# Altium PCB TCM.PcbDoc (part 2 of 10) (continued)
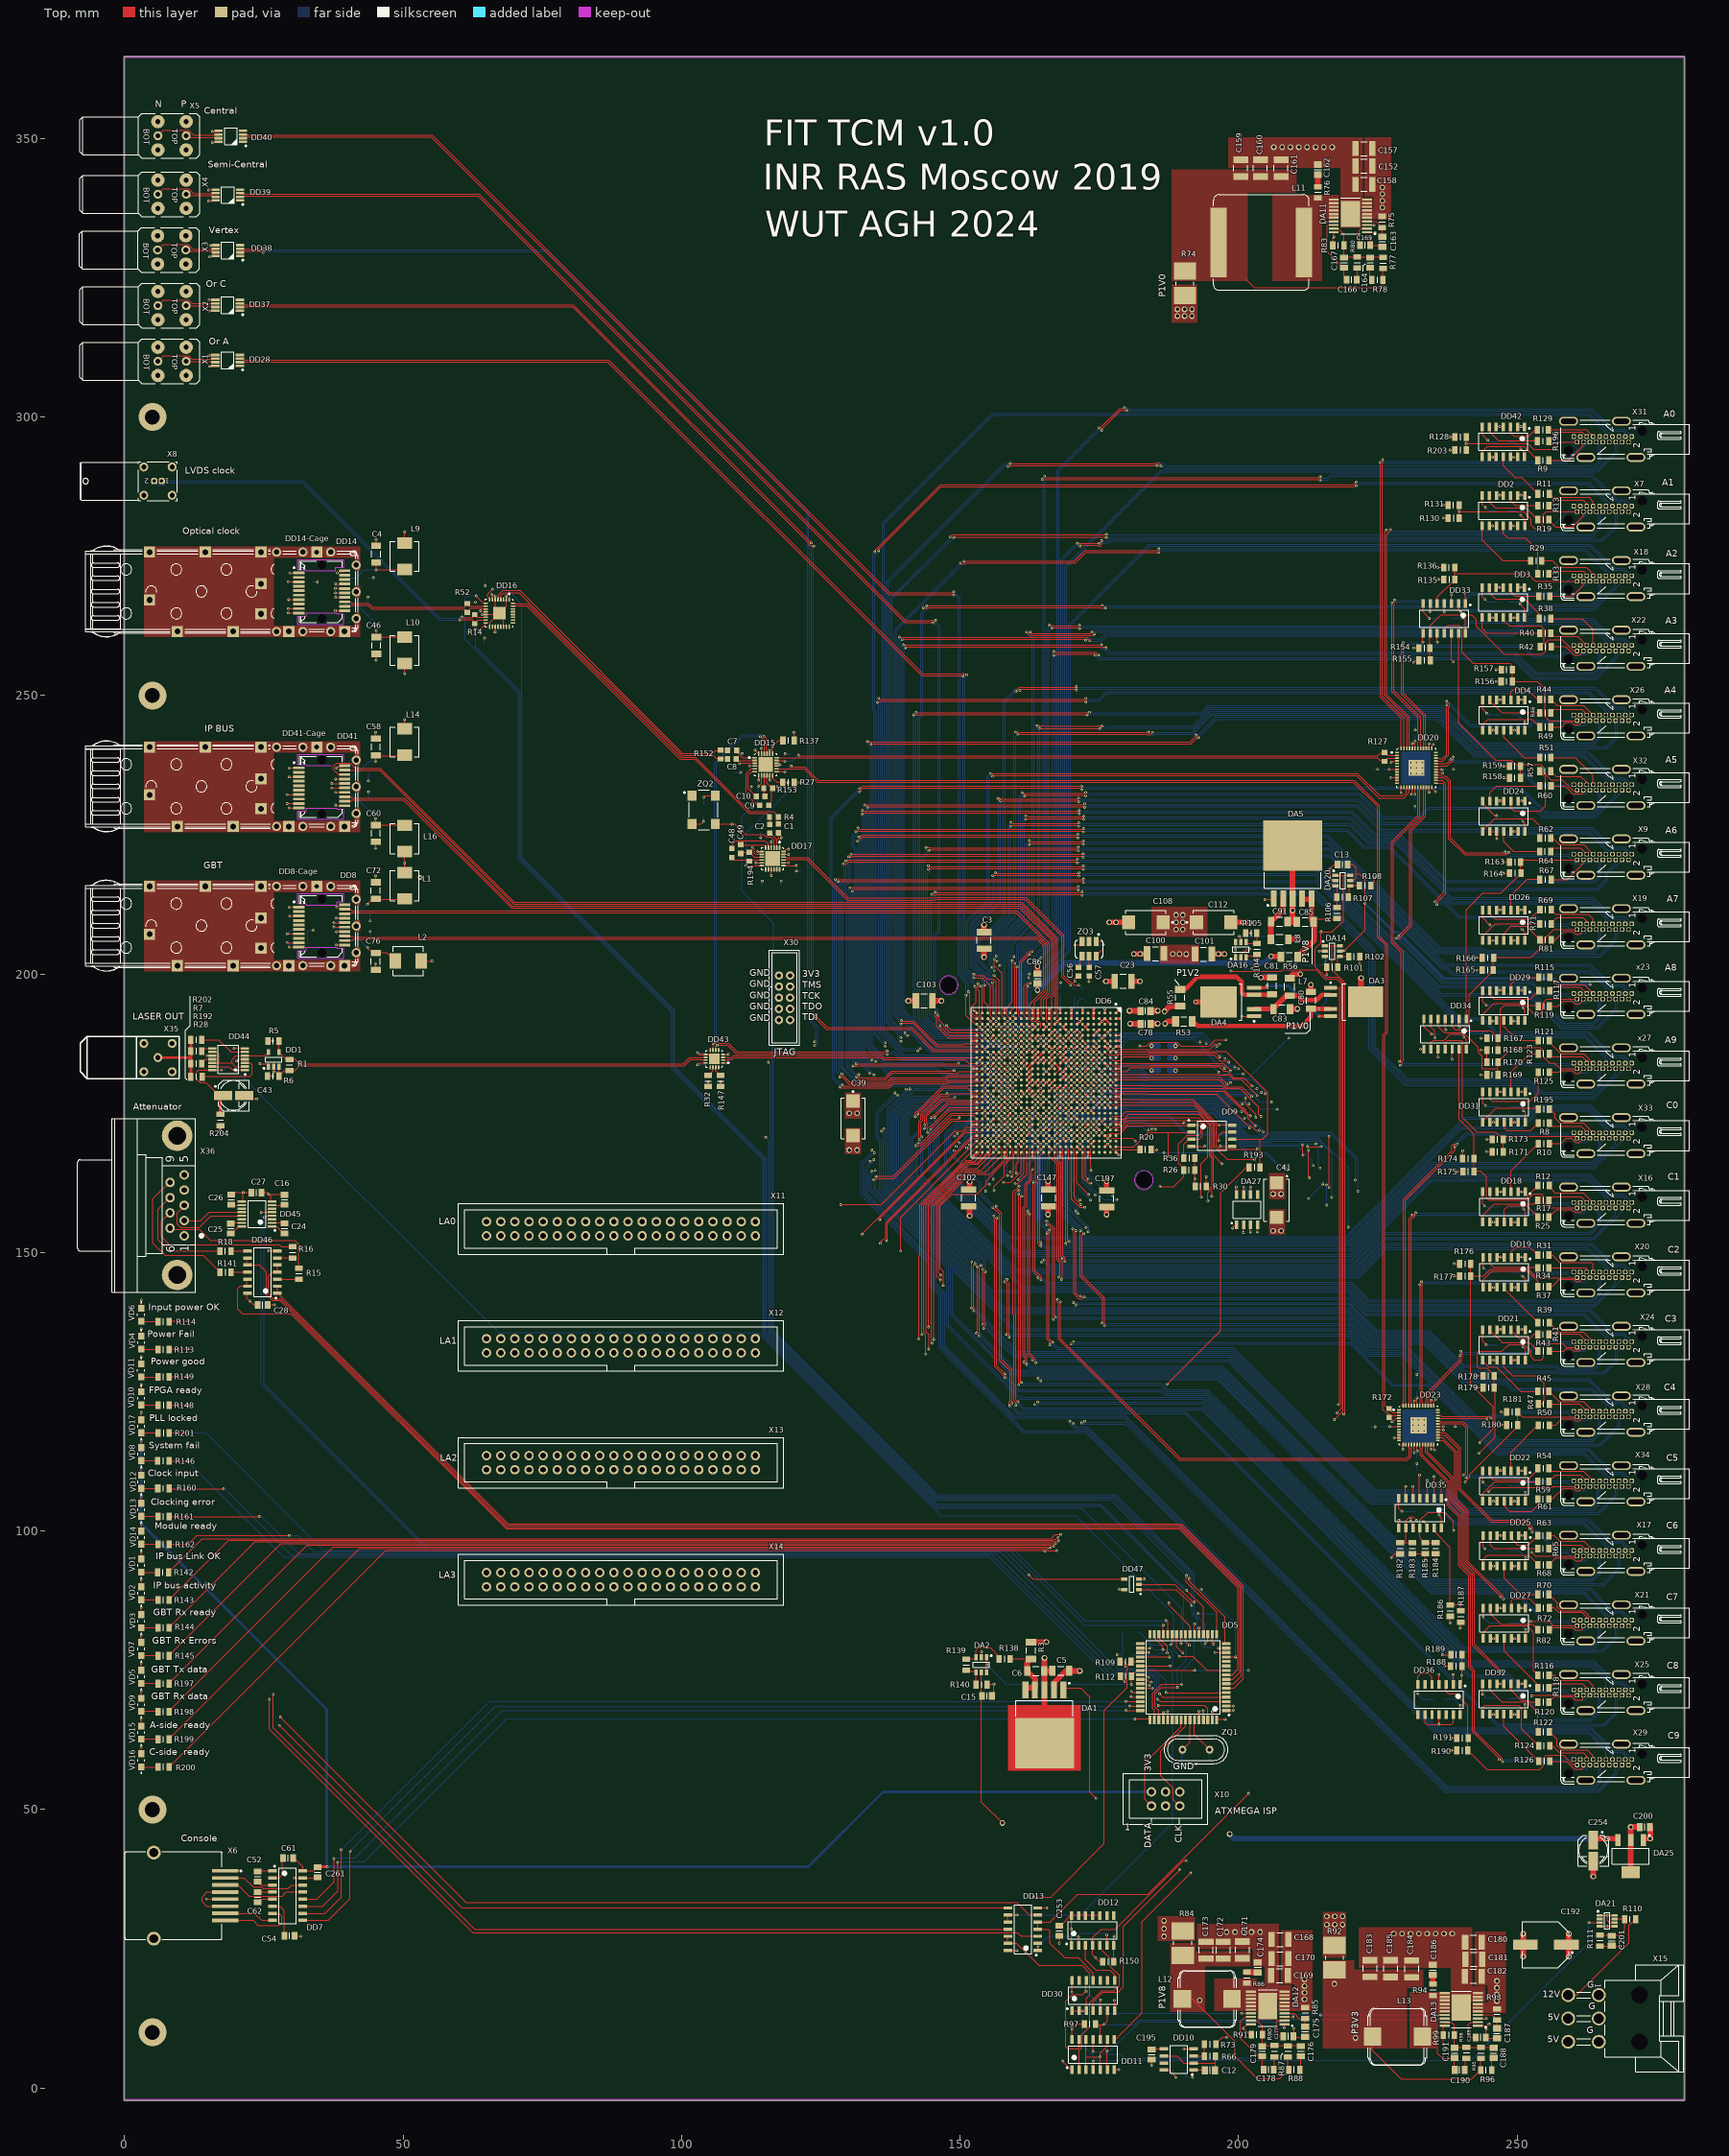
[diagram p0: Top view]
## Part data (continued)
DA25: "3-Terminal Regulator 1=IN 2=GND 3=OUT 4=GND", Case=SOT223, Manufacturer="TEXAS INSTRUMENTS", Manufacturer Part Number=LM3940IMP-3.3, Author="CERN DEM JLC", Bonding=No, Component Type=Standard, ComponentHeight=1.8mm, CreateDate=28.03.2011, Device=LM3940IMP-3.3/NOPB, HelpURL=\\cern.ch\dfs\Applications\Altium\Datasheets\LM3940IMP-3.3-NOPB.pdf, LatestRevisionDate=01.06.2022, Mounted=Yes, PackageDescription="SOT223, 2.30mm Pitch; 4 Pin, 3.70mm W X 6.70mm L X 1.80mm H body, IPC Medium Density", Part Description="1A Low Dropout Regulator for 5V to 3.3V Conversion", Part Number=LM3940IMP-3.3/NOPB, Pin Count=4, PressFit=No, Sense=No, SMD=Yes, Socket=No
DA27: "±0.5°C Accurate, 16-Bit Digital SPI Temperature Sensor", Case=SOIC8, Manufacturer="ANALOG DEVICES", Author="CERN DEM HF", Bonding=No, Component Type=Standard, ComponentHeight=1.75mm, CreateDate=24.05.2024, Device=ADT7311WTR, HelpURL=\\cern.ch\dfs\Applications\Altium\Datasheets\ADT7311WTR.pdf, LatestRevisionDate=24.05.2024, Manufacturer Part Number=ADT7311WTR, Mounted=Yes, PackageDescription="SOIC 8, Pitch 1.27mm - Body 4x5mm, IPC Medium Density", Part Description="±0.5°C Accurate, 16-Bit Digital SPI Temperature Sensor", Part Number=ADT7311WTR, Pin Count=8, PressFit=No, Sense=No, SMD=Yes, Socket=No
DD1: "3V LVDS Single CMOS Differential Line Receiver", Case=SOT23-5, Manufacturer="TEXAS INSTRUMENTS", Author="CERN DEM HF", Bonding=No, Component Type=Standard, ComponentHeight=1.45mm, CreateDate=08.05.2024, Device=DS90LT012ATMF, HelpURL=\\cern.ch\dfs\Applications\Altium\Datasheets\DS90LT012ATMF.pdf, LatestRevisionDate=08.05.2024, Manufacturer Part Number=DS90LT012ATMF, Mounted=Yes, PackageDescription="SOT, 0.95mm Pitch; 5 Pin, 1.60mm W X 2.90mm L X 1.45mm H body, IPC Medium Density", Part Description="3V LVDS Single CMOS Differential Line Receiver", Part Number=DS90LT012ATMF, Pin Count=5, PressFit=No, Sense=No, SMD=Yes, Socket=No
DD2 DD3 DD4 DD11 DD13 DD18 DD19 DD21 DD22 DD24 DD25 DD26 DD27 DD29 DD31 DD32 DD42 DD46: "Quad 2-Input AND Gate", Case=SOIC14, Manufacturer="TEXAS INSTRUMENTS", Bonding=No, Component Type=Standard, ComponentHeight=1.75mm, Mounted=Yes, Part Description="Quadruple 2-Input Positive-AND Gate", Pin Count=14, PressFit=No, Sense=No, SMD=Yes, Socket=No
  DD2 DD3 DD4 DD18 DD19 DD21 DD22 DD24 DD25 DD26 DD27 DD29 DD31 DD32 DD42: Author="CERN DEM JLC", CreateDate=21.03.2012, Device=SN74LVC08AD, HelpURL=\\cern.ch\dfs\Applications\Altium\Datasheets\SN74LVC08AD.pdf, LatestRevisionDate=21.03.2012, Manufacturer Part Number=SN74LVC08AD, PackageDescription="SOIC 14, Pitch 1.27mm - Body 4x8.75mm, IPC Medium Density", Part Number=SN74LVC08AD
  DD11 DD13 DD46: Author="CERN DEM HF", CreateDate=10.06.2024, Device=SN74HCT08D, HelpURL=\\cern.ch\dfs\Applications\Altium\Datasheets\SN74HCT08.pdf, LatestRevisionDate=10.06.2024, Manufacturer Part Number=SN74HCT08D, PackageDescription="SOIC, 1.27mm Pitch; 14 Pin, 4.00mm W X 8.75mm L X 1.75mm H body, IPC Medium Density", Part Number=SN74HCT08D
DD5: "8/16-bit XMEGA A3BU 32MHz Microcontroller With 256KBytes of in-System Self-Programmable Flash", Case=QFP64, Manufacturer="MICROCHIP TECHNOLOGY", Author="CERN DEM HF", Bonding=No, Component Type=Standard, ComponentHeight=1.2mm, CreateDate=24.05.2024, Device=ATXMEGA128A3U-AU, HelpURL=\\cern.ch\dfs\Applications\Altium\Datasheets\ATXMEGA128A3U-AU.pdf, LatestRevisionDate=24.05.2024, Manufacturer Part Number=ATXMEGA128A3U-AU, Mounted=Yes, PackageDescription="QFP, 0.80mm Pitch, Square; 64 Pin, 14.00mm L X 14.00mm W X 1.20mm H body, IPC Medium Density", Part Description="8/16-bit XMEGA A3U 32MHz Microcontroller with 128KBytes of in-System Self-Programmable Flash", Part Number=ATXMEGA128A3U-AU, Pin Count=64, PressFit=No, Sense=No, SMD=Yes, Socket=No
DD6: "KINTEX-7, FPGA, 676-Ball BGA, Pb-Free", Case=BGA676, Manufacturer=XILINX, Author="CERN DEM BC", Bonding=No, Component Type=Standard, ComponentHeight=2.54mm, ComponentLink1Description=Package/Pinout, ComponentLink1URL=\\cern.ch\dfs\Applications\Altium\Datasheets\XC7K160T-xFBG676C_Package-Pinout.pdf, CreateDate=06.02.2020, Device=XC7K160T-2FBG676C, HelpURL=\\cern.ch\dfs\Applications\Altium\Datasheets\XC7K160T-xFBG676C.pdf, LatestRevisionDate=06.02.2020, Manufacturer Part Number=XC7K160T-2FBG676C, Mounted=Yes, PackageDescription="BGA, 1.00mm Pitch, Square; 676 Pin, 26 Columns X 26 Rows, Body 27.0mm X 27.0mm X 2.54mm H, IPC Medium Density", Part Description="KINTEX-7 FPGA, 162240 Logic Cells, 400 User I/O, 8 GTXs, 676-Ball BGA, Speed Grade 2, Commercial Grade, Pb-Free", Part Number=XC7K160T-2FBG676C, Pin Count=676, PressFit=No, Sense=No, SMD=Yes, Socket=No
DD7: "±15 kV ESD Protected, 3.3 V, RS-232 Line Driver/Receiver", Case=SOIC16, Manufacturer="ANALOG DEVICES", Author="CERN DEM HF", Bonding=No, Component Type=Standard, ComponentHeight=2.65mm, CreateDate=24.05.2024, Device=ADM3232EARN, HelpURL=\\cern.ch\dfs\Applications\Altium\Datasheets\ADM3232EARN.pdf, LatestRevisionDate=24.05.2024, Manufacturer Part Number=ADM3232EARN, Mounted=Yes, PackageDescription="SOIC, 1.27mm Pitch; 16 pin, 7.50mm W X 10.4mm L X 2.65mm H body, IPC Medium Density", Part Description="±15 kV ESD Protected, 3.3 V, RS-232 Line Driver/Receiver", Part Number=ADM3232EARN, Pin Count=16, PressFit=No, Sense=No, SMD=Yes, Socket=No
DD8 DD14 DD41: library part AMPHENOL_UE76A203000, "20 Position SFP+ Connector (Small Form-factor Pluggable)", Manufacturer=AMPHENOL, Manufacturer Part Number=UE76A203000, Author="CERN DEM BC", Component Type=Standard, ComponentHeight=5.25mm, CreateDate=04.09.2020, Family=SFP+, HelpURL=\\cern.ch\dfs\Applications\Altium\Datasheets\AMPHENOL_UE76A203000.pdf, LatestRevisionDate=04.09.2020, Mounted=Yes, Part Description="20 Position, Pitch 0.8mm SFP+ High Speed Connector Receptacle (Small Form-factor Pluggable)", Part Number=AMPHENOL_UE76A203000, Pin Count=20, PressFit=No, Sense=No, SMD=Yes, Socket=No, Status=None
DD8-Cage DD14-Cage DD41-Cage: library part AMPHENOL_U77A16131001, "SFP+ 1x1 Cage (20Pins)", Manufacturer=AMPHENOL, Manufacturer Part Number=U77A16131001, Author="CERN DEM BC", Component Type=Standard, ComponentHeight=9.7mm, CreateDate=03.09.2020, Family=SFP+, HelpURL=\\cern.ch\dfs\Applications\Altium\Datasheets\AMPHENOL_U77A16131001.pdf, LatestRevisionDate=03.09.2020, Mounted=Yes, Part Description="1x1 Cage For Use with SFP+ Connector (Small Form-factor Pluggable)", Part Number=AMPHENOL_U77A16131001, Pin Count=20, PressFit=No, Sense=No, SMD=No, Socket=No, Status=None
DD9: "64 Mb (8 MB), 3V, FL-L SPI Flash Memory", Case=SOIC8, Manufacturer=INFINEON, Author="CERN DEM HF", Bonding=No, Component Type=Standard, ComponentHeight=2.16mm, CreateDate=06.06.2024, Device=S25FL064LABMFI01, HelpURL=\\cern.ch\dfs\Applications\Altium\Datasheets\S25FL064L.pdf, LatestRevisionDate=06.06.2024, Manufacturer Part Number=S25FL064LABMFI01, Mounted=Yes, PackageDescription="SOIC, 1.27mm Pitch; 8 Pin, 5.28mm W X 5.28mm L X 2.16mm H body, IPC Medium Density", Part Description="64 Mb (8 MB), 3V, FL-L SPI Flash Memory", Part Number=S25FL064LABMFI01, Pin Count=8, PressFit=No, Sense=No, SMD=Yes, Socket=No
DD10: "CMOS Timer", Case=SOIC8, Manufacturer="NATIONAL SEMICONDUCTOR", Manufacturer Part Number=LMC555CM, Author="CERN DEM JLC", Bonding=No, Component Type=Standard, ComponentHeight=1.75mm, CreateDate=12.04.2010, Device=LMC555CM/NOPB, HelpURL=\\cern.ch\dfs\Applications\Altium\Datasheets\LMC555C-NOPB.pdf, LatestRevisionDate=01.06.2022, Mounted=Yes, PackageDescription="SOIC 8, Pitch 1.27mm, Body 4x5mm, IPC Medium Density", Part Description="CMOS Timer", Part Number=LMC555CM/NOPB, Pin Count=8, PressFit=No, Sense=No, SMD=Yes, Socket=No
DD12: "Dual D-Type Flip Flop with Preset and Clear", Case=SOIC14, Manufacturer="TEXAS INSTRUMENTS", Author="CERN DEM JLC", Bonding=No, Component Type=Standard, ComponentHeight=1.75mm, CreateDate=11.12.2018, Device=SN74HCT74D, HelpURL=\\cern.ch\dfs\Applications\Altium\Datasheets\SN74HCT74D.pdf, LatestRevisionDate=11.12.2018, Manufacturer Part Number=SN74HCT74D, Mounted=Yes, PackageDescription="SOIC 14, Pitch 1.27mm - Body 4x8.75mm, IPC Medium Density", Part Description="Dual Positive-Edge-Triggered D-Type Flip-Flop with Clear and Preset", Part Number=SN74HCT74D, Pin Count=14, PressFit=No, Sense=No, SMD=Yes, Socket=No
DD15 DD17: "I2C-Programmable Any-Frequency, Any-Output Quad Clock Generator", Case=QFN24, Manufacturer="SILICON LABS", Author="CERN DEM JMW", Bonding=No, Component Type=Standard, ComponentHeight=0.9mm, CreateDate=07.02.2020, Device=Si5338A-B-GM, HelpURL=\\cern.ch\dfs\Applications\Altium\Datasheets\Si5338A-B-GM.pdf, LatestRevisionDate=07.02.2020, Manufacturer Part Number=Si5338A-B-GM, Mounted=Yes, PackageDescription="QFN, 0.50mm Pitch, Square; 24 Pin, 4.00mm L X 4.00mm W X 0.90mm H body (w/Thermal Tab 2.65 X 2.65mm), IPC Medium Density", Part Description="0.16 MHz to 710 MHz I2C_LSB, I2C-Programmable Quad Clock Generator", Part Number=Si5338A-B-GM, Pin Count=25, PressFit=No, Sense=No, SMD=Yes, Socket=No
DD16: "I2C-Programmable Any-Frequency, Any-Output Quad Clock Generator", Case=QFN32, Manufacturer=SKYWORKS, Author="CERN DEM HF", Bonding=No, Component Type=Standard, ComponentHeight=1mm, CreateDate=09.05.2023, Device=SI53301-B-GM, HelpURL=\\cern.ch\dfs\Applications\Altium\Datasheets\SI53301.pdf, LatestRevisionDate=09.05.2023, Manufacturer Part Number=SI53301-B-GM, Mounted=Yes, PackageDescription="QFN, 0.50mm Pitch, Square; 32 Pin, 5.00mm L X 5.00mm W X 1mm H body (w/Thermal Tab 2.3 X 2.3mm), IPC Medium Density", Part Description="Ultra-Low Additive Jitter Fanout Clock Buffers with up to 10 Universal Outputs from Any-Format Input and Wide Frequency Range from 1 MHz to 725 MHz", Part Number=SI53301-B-GM, Pin Count=33, PressFit=No, Sense=No, SMD=Yes, Socket=No
DD20 DD23: "1.8 V, 6 LVDS/12 CMOS Outputs Low Power Clock Fanout Buffer", Case=QFN48, Manufacturer="ANALOG DEVICES", Author="CERN DEM HF", Bonding=No, Component Type=Standard, ComponentHeight=0.8mm, CreateDate=24.05.2024, Device=ADCLK854BCP, HelpURL=\\cern.ch\dfs\Applications\Altium\Datasheets\ADCLK854BCP.pdf, LatestRevisionDate=24.05.2024, Manufacturer Part Number=ADCLK854BCP, Mounted=Yes, PackageDescription="QFN, 0.50mm Pitch, Square; 48 Pin, 7.00mm L X 7.00mm W X 0.80mm H body (w/Thermal Tab 2.9 x 2.9mm), IPC Medium Density", Part Description="1.8 V, 6 LVDS/12 CMOS Outputs Low Power Clock Fanout Buffer", Part Number=ADCLK854BCP, Pin Count=49, PressFit=No, Sense=No, SMD=Yes, Socket=No
DD28 DD37 DD38 DD39 DD40: "2Gbps LVDS/LVPECL/CML to LVDS Translator/Repeater", Case=SSOP8, Manufacturer="TEXAS INSTRUMENTS", Author="CERN DEM HF", Bonding=No, Component Type=Standard, ComponentHeight=1.1mm, CreateDate=21.06.2023, Device=SN65LVDT100DGK, HelpURL=\\cern.ch\dfs\Applications\Altium\Datasheets\SN65LVDT100D.pdf, LatestRevisionDate=21.06.2023, Manufacturer Part Number=SN65LVDT100DGK, Mounted=Yes, PackageDescription="SOP, 0.65mm Pitch; 8 Pin, 3.00mm W X 3.00mm L X 1.10mm H body, IPC Medium Density", Part Description="2Gbps LVDS/LVPECL/CML to LVDS Translator/Repeater", Part Number=SN65LVDT100DGK, Pin Count=8, PressFit=No, Sense=No, SMD=Yes, Socket=No
DD30: "8-Input NAND Gate", Case=SOIC14, Manufacturer="TEXAS INSTRUMENTS", Author="CERN DEM HF", Bonding=No, Component Type=Standard, ComponentHeight=1.75mm, CreateDate=31.05.2024, Device=CD74HCT30M96, HelpURL=\\cern.ch\dfs\Applications\Altium\Datasheets\CD74HCT30M96.pdf, LatestRevisionDate=31.05.2024, Manufacturer Part Number=CD74HCT30M96, Mounted=Yes, PackageDescription="SOIC 14, Pitch 1.27mm - Body 4x8.75mm, IPC Medium Density", Part Description="8-Input NAND Gate", Part Number=CD74HCT30M96, Pin Count=14, PressFit=No, Sense=No, SMD=Yes, Socket=Yes
DD33 DD34 DD35 DD36: "Hex Schmitt-Trigger Inverter", Case=SOIC14, Manufacturer="TEXAS INSTRUMENTS", Author="CERN DEM JMW", Bonding=No, Component Type=Standard, ComponentHeight=1.75mm, CreateDate=29.09.2008, Device=SN74LVC14AD, HelpURL=\\cern.ch\dfs\Applications\Altium\Datasheets\SN74LVC14AD.pdf, LatestRevisionDate=29.09.2008, Manufacturer Part Number=SN74LVC14AD, Mounted=Yes, PackageDescription="SOIC 14, Pitch 1.27mm - Body 4x8.75mm, IPC Medium Density", Part Description="Hex Schmitt-Trigger Inverter", Part Number=SN74LVC14AD, Pin Count=14, PressFit=No, Sense=No, SMD=Yes, Socket=No
DD43: "2.5 V/3.3 V/5.0 V Differential Data/Clock D Flip-Flop with Reset", Case=QFN16, Manufacturer="ON SEMICONDUCTOR", Manufacturer Part Number=NB4L52MN, Author="CERN DEM MR", Bonding=No, Component Type=Standard, ComponentHeight=1mm, CreateDate=15.01.2016, Device=NB4L52MNG, HelpURL=\\cern.ch\dfs\Applications\Altium\Datasheets\NB4L52MNG.pdf, LatestRevisionDate=04.04.2022, Mounted=Yes, PackageDescription="QFN, 0.50mm Pitch, Square; 16 Pin, 3.00mm L X 3.00mm W X 1.00mm H body (w/Thermal Tab 1.85 X 1.85mm), IPC Medium Density", Part Description="2.5 V/3.3 V/5.0 V Differential Data/Clock D Flip-Flop with Reset", Part Number=NB4L52MNG, Pin Count=16, PressFit=No, Sense=No, SMD=Yes, Socket=No
DD44: "Quadruple Buffer Translator With 3-State Outputs", Case=TSSOP14, Manufacturer="TEXAS INSTRUMENTS", Author="CERN DEM HF", Bonding=No, Component Type=Standard, ComponentHeight=1.2mm, CreateDate=12.06.2024, Device=SN74LV4T125QPWRQ1, HelpURL=\\cern.ch\dfs\Applications\Altium\Datasheets\SN74LV4T125-Q1.pdf, LatestRevisionDate=12.06.2024, Manufacturer Part Number=SN74LV4T125QPWRQ1, Mounted=Yes, PackageDescription="SOP, 0.65mm Pitch; 14 Pin, 4.40mm W X 5.00mm L X 1.20mm H body, IPC Medium Density", Part Description="Quadruple Buffer Translator With 3-State Outputs", Part Number=SN74LV4T125QPWRQ1, Pin Count=14, PressFit=No, Sense=No, SMD=Yes, Socket=No
DD45: "±15 kV ESD Protected, 3.3 V Single-Channel RS-232 Line Driver/Receiver", Case=SSOP16, Manufacturer="ANALOG DEVICES", Author="CERN DEM HF", Bonding=No, Component Type=Standard, ComponentHeight=1.75mm, CreateDate=08.05.2024, Device=ADM3101EARQ, HelpURL=\\cern.ch\dfs\Applications\Altium\Datasheets\ADM3101EARQ.pdf, LatestRevisionDate=08.05.2024, Manufacturer Part Number=ADM3101EARQ, Mounted=Yes, PackageDescription="SOP, 0.635mm Pitch; 16 Pin, 3.9mm W X 4.895mm L X 1.75mm H body, IPC Medium Density", Part Description="±15 kV ESD Protected, 3.3 V Single-Channel RS-232 Line Driver/Receiver", Part Number=ADM3101EARQ, Pin Count=16, PressFit=No, Sense=No, SMD=Yes, Socket=No
DD47: library part SN74LVC1G32DBVR, "Single 2-Input Positive-OR Gate", Case=SOT23-5, Manufacturer="TEXAS INSTRUMENTS", Author="CERN DEM JLC", Bonding=No, Component Type=Standard, ComponentHeight=1.45mm, CreateDate=25.04.2012, Device=SN74LVC1G32DBV, HelpURL=\\cern.ch\dfs\Applications\Altium\Datasheets\SN74LVC1G32DBVR.pdf, LatestRevisionDate=25.04.2012, Manufacturer Part Number=SN74LVC1G32DBV, Mounted=Yes, PackageDescription="SOT, 0.95mm Pitch; 5 Pin, 1.60mm W X 2.90mm L X 1.45mm H body, IPC Medium Density", Part Description="Single 2-Input Positive-OR Gate", Part Number=SN74LVC1G32DBVR, Pin Count=5, PressFit=No, Sense=No, SMD=Yes, Socket=No
L1 L2 L9 L10 L14 L16: library part IND2020_10UH_20%_VISHAY_IHLP-2020BZ-11, "Inductor With Core", Case=2020, Manufacturer="VISHAY DALE", Manufacturer Part Number=IHLP2020BZER100M11, Power=2.2A, Resistance=0.1828R, Tolerance=±20%, Author="CERN DEM HF", Component Type=Standard, ComponentHeight=2mm, CreateDate=31.05.2024, HelpURL=\\cern.ch\dfs\Applications\Altium\Datasheets\IND2020_VISHAY_IHLP2020BZ-11.pdf, LatestRevisionDate=31.05.2024, Mounted=Yes, Part Description="Low Profile, High Current IHLP® Inductor", Part Number=IND2020_10UH_20%_VISHAY_IHLP-2020BZ-11, Pin Count=2, Sense=No, SMD=Yes, Socket=No
L3 L5 L6: library part IND0805_TDK_MPZ2012S221A, Case=0805, Manufacturer=TDK, Manufacturer Part Number=MPZ2012S221A, Power=3A, Resistance=0.04R, Tolerance=±25%, Author="CERN DEM HF", Component Type=Standard, ComponentHeight=1.05mm, CreateDate=04.10.2021, HelpURL=\\cern.ch\dfs\Applications\Altium\Datasheets\IND0805_TDK_MPZ2012.pdf, LatestRevisionDate=04.10.2021, Mounted=Yes, Part Description="SMT Chip Bead for General Power Line (MPZ Series)", Part Number=IND0805_TDK_MPZ2012S221A, Pin Count=2, Sense=No, SMD=Yes, Socket=No
L7 L8: library part IND1206_MURATA_BLM31KN121SN1, Case=1206, Manufacturer=MURATA, Manufacturer Part Number=BLM31KN121SN1, Power=6A, Resistance=0.009R, Tolerance=±25%, Author="CERN DEM HF", Component Type=Standard, ComponentHeight=1.8mm, CreateDate=05.01.2022, HelpURL="\\cern.ch\dfs\Applications\Altium\Datasheets\IND1206_MURATA_ BLM31KN_SN.pdf", LatestRevisionDate=05.01.2022, Mounted=Yes, Part Description="SMD Chip Ferrite Bead, BLM31KN_SN Series", Part Number=IND1206_MURATA_BLM31KN121SN1, Pin Count=2, Sense=No, SMD=Yes, Socket=No
L11: library part IND6767_4.7UH_20%_VISHAY_IHLP-6767GZ-11, "Inductor With Core", Case=6767, Manufacturer="VISHAY DALE", Manufacturer Part Number=IHLP6767GZER4R7M11, Power=30A, Resistance=3.98mR, Tolerance=±20%, Author="CERN DEM HF", Component Type=Standard, ComponentHeight=7mm, CreateDate=04.06.2024, HelpURL=\\cern.ch\dfs\Applications\Altium\Datasheets\IND_VISHAY_IHLP-6767GZ-11.pdf, LatestRevisionDate=04.06.2024, Mounted=Yes, Part Description="Low Profile, High Current IHLP® Inductor", Part Number=IND6767_4.7UH_20%_VISHAY_IHLP-6767GZ-11, Pin Count=2, Sense=No, SMD=Yes, Socket=No
L12 L13: library part IND4040_10UH_20%_VISHAY_IHLP-4040DZ-01, "Inductor With Core", Case=4040, Manufacturer="VISHAY DALE", Manufacturer Part Number=IHLP4040DZER100M01, Power=6.8A, Resistance=0.0332R, Tolerance=±20%, Author="CERN DEM HF", Component Type=Standard, ComponentHeight=4mm, CreateDate=31.05.2024, HelpURL=\\cern.ch\dfs\Applications\Altium\Datasheets\IND_VISHAY_IHLP4040DZ-01.pdf, LatestRevisionDate=31.05.2024, Mounted=Yes, Part Description="IHLP® Commercial Inductor, Low DCR Series", Part Number=IND4040_10UH_20%_VISHAY_IHLP-4040DZ-01, Pin Count=2, Sense=No, SMD=Yes, Socket=No
R1 R5 R6: library part R0805_150R_1%_0.125W_100PPM, "Resistor - 1%", Case=0805, Manufacturer=GENERIC, Manufacturer1 ComponentHeight=0.6mm, Manufacturer1 Example="NIC COMPONENT", Manufacturer1 Part Number=NRC10F1500TRF, Power=0.125W, Tolerance=±1%, Author="CERN DEM JLC", Component Type=Standard, CreateDate=03.12.2007, HelpURL=\\cern.ch\dfs\Applications\Altium\Datasheets\R0805_NIC_NRC.pdf, LatestRevisionDate=13.03.2008, Manufacturer Part Number=R0805_150R_1%_0.125W_100PPM, Mounted=Yes, Part Description="General Purpose Thick Film Chip Resistor", Part Number=R0805_150R_1%_0.125W_100PPM, Pin Count=2, PressFit=No, Sense=No, SMD=Yes, Socket=No, Status=Preferred, TC=±100ppm/°C
R2 R77 R79 R80 R87 R89 R90 R95 R97 R98 R102 R105 R109 R112 R133 R134 R150 R151: library part R0805_10K_1%_0.125W_100PPM, "Resistor - 1%", Case=0805, Manufacturer=GENERIC, Manufacturer1 ComponentHeight=0.6mm, Manufacturer1 Example="NIC COMPONENT", Manufacturer1 Part Number=NRC10F1002TRF, Power=0.125W, Tolerance=±1%, Author="CERN DEM JLC", Component Type=Standard, CreateDate=03.12.2007, HelpURL=\\cern.ch\dfs\Applications\Altium\Datasheets\R0805_NIC_NRC.pdf, LatestRevisionDate=13.03.2008, Manufacturer Part Number=R0805_10K_1%_0.125W_100PPM, Mounted=Yes, Part Description="General Purpose Thick Film Chip Resistor", Part Number=R0805_10K_1%_0.125W_100PPM, Pin Count=2, PressFit=No, Sense=No, SMD=Yes, Socket=No, Status=Preferred, TC=±100ppm/°C
R3 R53 R55 R56: library part R1206_0R01_1%_1W_100PPM_TT_LRMAM1206, "Resistor - 1%", Case=1206, Manufacturer="TT Electronics", Manufacturer Part Number=LRMAM1206-R01FT5, Power=1W, Tolerance=±1%, Author="CERN DEM BC", Component Type=Standard, ComponentHeight=0.8mm, CreateDate=29.07.2015, HelpURL="\\cern.ch\dfs\Applications\Altium\Datasheets\R1206_TT ELECTRONICS_LRMA.pdf", LatestRevisionDate=29.07.2015, Mounted=Yes, Part Description="Low Value Metal Alloy Resistor", Part Number=R1206_0R01_1%_1W_100PPM_TT_LRMAM1206, Pin Count=2, PressFit=No, Sense=No, SMD=Yes, Socket=No, Status="Not Recommended", TC=±100ppm/°C
R4 R14 R24 R52 R127 R152 R153 R172 R194: library part R0603_100R_1%_0.1W_100PPM, "Resistor - 1%", Case=0603, Manufacturer=GENERIC, Manufacturer1 ComponentHeight=0.55mm, Manufacturer1 Example="NIC COMPONENT", Manufacturer1 Part Number=NRC06F4700TRF, Power=0.1W, Tolerance=±1%, Author="CERN DEM JLC", Component Type=Standard, CreateDate=03.12.2007, HelpURL=\\cern.ch\dfs\Applications\Altium\Datasheets\R0603_NIC_NRC.pdf, LatestRevisionDate=13.03.2008, Manufacturer Part Number=R0603_100R_1%_0.1W_100PPM, Mounted=Yes, Part Description="General Purpose Thick Film Chip Resistor", Part Number=R0603_100R_1%_0.1W_100PPM, Pin Count=2, PressFit=No, Sense=No, SMD=Yes, Socket=No, Status=Preferred, TC=±100ppm/°C
R7 R28 R128 R130 R131 R135 R136 R154 R155 R156 R157 R158 R159 R163 R164 R165 R166 R167 R168 R169 R170 R171 R173 R174 R175 R176 R177 R178 R179 R180 R181 R182 R183 R184 R185 R186 R187 R188 R189 R190 R191 R192 R202 R203: library part R0805_200R_1%_0.125W_100PPM, "Resistor - 1%", Case=0805, Manufacturer=GENERIC, Manufacturer1 ComponentHeight=0.6mm, Manufacturer1 Example="NIC COMPONENT", Manufacturer1 Part Number=NRC10F2000TRF, Power=0.125W, Tolerance=±1%, Author="CERN DEM JLC", Component Type=Standard, CreateDate=03.12.2007, HelpURL=\\cern.ch\dfs\Applications\Altium\Datasheets\R0805_NIC_NRC.pdf, LatestRevisionDate=13.03.2008, Manufacturer Part Number=R0805_200R_1%_0.125W_100PPM, Mounted=Yes, Part Description="General Purpose Thick Film Chip Resistor", Part Number=R0805_200R_1%_0.125W_100PPM, Pin Count=2, PressFit=No, Sense=No, SMD=Yes, Socket=No, Status=Preferred, TC=±100ppm/°C
R8 R9 R10 R11 R12 R13 R17 R19 R25 R29 R31 R33 R34 R35 R37 R38 R39 R40 R41 R42 R43 R44 R45 R46 R47 R49 R50 R51 R54 R57 R59 R60 R61 R62 R63 R64 R65 R67 R68 R69 R70 R71 R72 R81 R82 R115 R116 R117 R118 R119 R120 R121 R122 R123 R124 R125 R126 R129 R195 R196: library part R0805_47R_1%_0.125W_100PPM, "Resistor - 1%", Case=0805, Manufacturer=GENERIC, Manufacturer1 ComponentHeight=0.6mm, Manufacturer1 Example="NIC COMPONENT", Manufacturer1 Part Number=NRC10F47R0TRF, Power=0.125W, Tolerance=±1%, Author="CERN DEM JLC", Component Type=Standard, CreateDate=03.12.2007, HelpURL=\\cern.ch\dfs\Applications\Altium\Datasheets\R0805_NIC_NRC.pdf, LatestRevisionDate=13.03.2008, Manufacturer Part Number=R0805_47R_1%_0.125W_100PPM, Mounted=Yes, Part Description="General Purpose Thick Film Chip Resistor", Part Number=R0805_47R_1%_0.125W_100PPM, Pin Count=2, PressFit=No, Sense=No, SMD=Yes, Socket=No, Status=Preferred, TC=±100ppm/°C
R15 R16 R18 R141 R142 R143 R144 R145 R197 R198 R199 R200 R201: library part R0805_100R_1%_0.125W_100PPM, "Resistor - 1%", Case=0805, Manufacturer=GENERIC, Manufacturer1 ComponentHeight=0.6mm, Manufacturer1 Example="NIC COMPONENT", Manufacturer1 Part Number=NRC10F4700TRF, Power=0.125W, Tolerance=±1%, Author="CERN DEM JLC", Component Type=Standard, CreateDate=03.12.2007, HelpURL=\\cern.ch\dfs\Applications\Altium\Datasheets\R0805_NIC_NRC.pdf, LatestRevisionDate=13.03.2008, Manufacturer Part Number=R0805_100R_1%_0.125W_100PPM, Mounted=Yes, Part Description="General Purpose Thick Film Chip Resistor", Part Number=R0805_100R_1%_0.125W_100PPM, Pin Count=2, PressFit=No, Sense=No, SMD=Yes, Socket=No, Status=Preferred, TC=±100ppm/°C
R20 R23 R113 R114 R146 R148 R149 R160 R161 R162: library part R0805_330R_1%_0.125W_100PPM, "Resistor - 1%", Case=0805, Manufacturer=GENERIC, Manufacturer1 ComponentHeight=0.6mm, Manufacturer1 Example="NIC COMPONENT", Manufacturer1 Part Number=NRC10F3300TRF, Power=0.125W, Tolerance=±1%, Author="CERN DEM JLC", Component Type=Standard, CreateDate=03.12.2007, HelpURL=\\cern.ch\dfs\Applications\Altium\Datasheets\R0805_NIC_NRC.pdf, LatestRevisionDate=13.03.2008, Manufacturer Part Number=R0805_330R_1%_0.125W_100PPM, Mounted=Yes, Part Description="General Purpose Thick Film Chip Resistor", Part Number=R0805_330R_1%_0.125W_100PPM, Pin Count=2, PressFit=No, Sense=No, SMD=Yes, Socket=No, Status=Preferred, TC=±100ppm/°C
R21 R22 R27 R137: library part R0805_4K7_1%_0.125W_100PPM, "Resistor - 1%", Case=0805, Manufacturer=GENERIC, Manufacturer1 ComponentHeight=0.6mm, Manufacturer1 Example="NIC COMPONENT", Manufacturer1 Part Number=NRC10F4701TRF, Power=0.125W, Tolerance=±1%, Author="CERN DEM JLC", Component Type=Standard, CreateDate=03.12.2007, HelpURL=\\cern.ch\dfs\Applications\Altium\Datasheets\R0805_NIC_NRC.pdf, LatestRevisionDate=13.03.2008, Manufacturer Part Number=R0805_4K7_1%_0.125W_100PPM, Mounted=Yes, Part Description="General Purpose Thick Film Chip Resistor", Part Number=R0805_4K7_1%_0.125W_100PPM, Pin Count=2, PressFit=No, Sense=No, SMD=Yes, Socket=No, Status=Preferred, TC=±100ppm/°C
R26 R30 R36: library part R0805_2K4_1%_0.125W_100PPM, "Resistor - 1%", Case=0805, Manufacturer=GENERIC, Manufacturer1 ComponentHeight=0.6mm, Manufacturer1 Example="NIC COMPONENT", Manufacturer1 Part Number=NRC10F2401TRF, Power=0.125W, Tolerance=±1%, Author="CERN DEM JLC", Component Type=Standard, CreateDate=03.12.2007, HelpURL=\\cern.ch\dfs\Applications\Altium\Datasheets\R0805_NIC_NRC.pdf, LatestRevisionDate=13.03.2008, Manufacturer Part Number=R0805_2K4_1%_0.125W_100PPM, Mounted=Yes, Part Description="General Purpose Thick Film Chip Resistor", Part Number=R0805_2K4_1%_0.125W_100PPM, Pin Count=2, PressFit=No, Sense=No, SMD=Yes, Socket=No, Status=Preferred, TC=±100ppm/°C
R32 R48 R66 R132 R147: library part R0805_1K_1%_0.125W_100PPM, "Resistor - 1%", Case=0805, Manufacturer=GENERIC, Manufacturer1 ComponentHeight=0.6mm, Manufacturer1 Example="NIC COMPONENT", Manufacturer1 Part Number=NRC10F1001TRF, Power=0.125W, Tolerance=±1%, Author="CERN DEM JLC", Component Type=Standard, CreateDate=03.12.2007, HelpURL=\\cern.ch\dfs\Applications\Altium\Datasheets\R0805_NIC_NRC.pdf, LatestRevisionDate=13.03.2008, Manufacturer Part Number=R0805_1K_1%_0.125W_100PPM, Mounted=Yes, Part Description="General Purpose Thick Film Chip Resistor", Part Number=R0805_1K_1%_0.125W_100PPM, Pin Count=2, PressFit=No, Sense=No, SMD=Yes, Socket=No, Status=Preferred, TC=±100ppm/°C
R58 R75 R85 R93 R204: library part R0805_1R_1%_0.125W_100PPM, "Resistor - 1%", Case=0805, Manufacturer=GENERIC, Manufacturer1 ComponentHeight=0.6mm, Manufacturer1 Example=VISHAY, Manufacturer1 Part Number=CRCW08051R00FKEA, Power=0.125W, Tolerance=±1%, Author="CERN DEM HF", Component Type=Standard, CreateDate=07.06.2024, HelpURL="\\cern.ch\dfs\Applications\Altium\Datasheets\R0805_VISHAY_CRCW e3.pdf", LatestRevisionDate=07.06.2024, Manufacturer Part Number=R0805_1R_1%_0.125W_100PPM, Mounted=Yes, Part Description="Thick Film Chip Resistor", Part Number=R0805_1R_1%_0.125W_100PPM, Pin Count=2, PressFit=No, Sense=No, SMD=Yes, Socket=No, Status=None, TC=±100ppm/°C
R73 R193: library part R0805_33R_1%_0.125W_100PPM, "Resistor - 1%", Case=0805, Manufacturer=GENERIC, Manufacturer1 ComponentHeight=0.6mm, Manufacturer1 Example="NIC COMPONENT", Manufacturer1 Part Number=NRC10F33R0TRF, Power=0.125W, Tolerance=±1%, Author="CERN DEM JLC", Component Type=Standard, CreateDate=03.12.2007, HelpURL=\\cern.ch\dfs\Applications\Altium\Datasheets\R0805_NIC_NRC.pdf, LatestRevisionDate=13.03.2008, Manufacturer Part Number=R0805_33R_1%_0.125W_100PPM, Mounted=Yes, Part Description="General Purpose Thick Film Chip Resistor", Part Number=R0805_33R_1%_0.125W_100PPM, Pin Count=2, PressFit=No, Sense=No, SMD=Yes, Socket=No, Status=Preferred, TC=±100ppm/°C
R74 R84 R92: library part R2512_0R001_1%_3W_50PPM_BOURNS_CRE2512, "Resistor - 1%", Case=2512, Manufacturer=BOURNS, Manufacturer Part Number=CRE2512-FZ-R001E-3, Power=3W, Tolerance=±1%, Author="CERN DEM BC", Component Type=Standard, ComponentHeight=0.9mm, CreateDate=13.10.2021, HelpURL=\\cern.ch\dfs\Applications\Altium\Datasheets\R2512_BOURNS_CRE2512.pdf, LatestRevisionDate=13.10.2021, Mounted=Yes, Part Description="High Power Current Sense Chip Resistor", Part Number=R2512_0R001_1%_3W_50PPM_BOURNS_CRE2512, Pin Count=2, PressFit=No, Sense=No, SMD=Yes, Socket=No, Status=None, TC=±50ppm/°C
R76 R86 R94: library part R0805_5R1_1%_0.125W_100PPM, "Resistor - 1%", Case=0805, Manufacturer=GENERIC, Manufacturer1 ComponentHeight=0.6mm, Manufacturer1 Example=VISHAY, Manufacturer1 Part Number=CRCW08055R10FKEAHP, Power=0.125W, Tolerance=±1%, Author="CERN DEM HF", Component Type=Standard, CreateDate=07.06.2024, HelpURL="\\cern.ch\dfs\Applications\Altium\Datasheets\R0805_VISHAY_CRCW-HP e3.pdf", LatestRevisionDate=07.06.2024, Manufacturer Part Number=R0805_5R1_1%_0.125W_100PPM, Mounted=Yes, Part Description="Thick Film Chip Resistor", Part Number=R0805_5R1_1%_0.125W_100PPM, Pin Count=2, PressFit=No, Sense=No, SMD=Yes, Socket=No, Status=None, TC=±100ppm/°C
R78 R88 R96: library part R0805_130R_1%_0.125W_100PPM, "Resistor - 1%", Case=0805, Manufacturer=GENERIC, Manufacturer1 ComponentHeight=0.6mm, Manufacturer1 Example="NIC COMPONENT", Manufacturer1 Part Number=NRC10F1300TRF, Power=0.125W, Tolerance=±1%, Author="CERN DEM JLC", Component Type=Standard, CreateDate=03.12.2007, HelpURL=\\cern.ch\dfs\Applications\Altium\Datasheets\R0805_NIC_NRC.pdf, LatestRevisionDate=13.03.2008, Manufacturer Part Number=R0805_130R_1%_0.125W_100PPM, Mounted=Yes, Part Description="General Purpose Thick Film Chip Resistor", Part Number=R0805_130R_1%_0.125W_100PPM, Pin Count=2, PressFit=No, Sense=No, SMD=Yes, Socket=No, Status=Preferred, TC=±100ppm/°C
R83 R100: library part R0805_15K_1%_0.125W_100PPM, "Resistor - 1%", Case=0805, Manufacturer=GENERIC, Manufacturer1 ComponentHeight=0.6mm, Manufacturer1 Example="NIC COMPONENT", Manufacturer1 Part Number=NRC10F1502TRF, Power=0.125W, Tolerance=±1%, Author="CERN DEM JLC", Component Type=Standard, CreateDate=13.05.2013, HelpURL=\\cern.ch\dfs\Applications\Altium\Datasheets\R0805_NIC_NRC.pdf, LatestRevisionDate=13.05.2013, Manufacturer Part Number=R0805_15K_1%_0.125W_100PPM, Mounted=Yes, Part Description="General Purpose Thick Film Chip Resistor", Part Number=R0805_15K_1%_0.125W_100PPM, Pin Count=2, PressFit=No, Sense=No, SMD=Yes, Socket=No, Status=Preferred, TC=±100ppm/°C
R91: library part R0805_5K1_1%_0.125W_100PPM, "Resistor - 1%", Case=0805, Manufacturer=GENERIC, Manufacturer1 ComponentHeight=0.6mm, Manufacturer1 Example="NIC COMPONENT", Manufacturer1 Part Number=NRC10F5101TRF, Power=0.125W, Tolerance=±1%, Author="CERN DEM JLC", Component Type=Standard, CreateDate=03.12.2007, HelpURL=\\cern.ch\dfs\Applications\Altium\Datasheets\R0805_NIC_NRC.pdf, LatestRevisionDate=13.03.2008, Manufacturer Part Number=R0805_5K1_1%_0.125W_100PPM, Mounted=Yes, Part Description="General Purpose Thick Film Chip Resistor", Part Number=R0805_5K1_1%_0.125W_100PPM, Pin Count=2, PressFit=No, Sense=No, SMD=Yes, Socket=No, Status=Preferred, TC=±100ppm/°C
R99 R101 R104 R139: library part R0805_2K2_1%_0.125W_100PPM, "Resistor - 1%", Case=0805, Manufacturer=GENERIC, Manufacturer1 ComponentHeight=0.6mm, Manufacturer1 Example="NIC COMPONENT", Manufacturer1 Part Number=NRC10F2201TRF, Power=0.125W, Tolerance=±1%, Author="CERN DEM JLC", Component Type=Standard, CreateDate=03.12.2007, HelpURL=\\cern.ch\dfs\Applications\Altium\Datasheets\R0805_NIC_NRC.pdf, LatestRevisionDate=13.03.2008, Manufacturer Part Number=R0805_2K2_1%_0.125W_100PPM, Mounted=Yes, Part Description="General Purpose Thick Film Chip Resistor", Part Number=R0805_2K2_1%_0.125W_100PPM, Pin Count=2, PressFit=No, Sense=No, SMD=Yes, Socket=No, Status=Preferred, TC=±100ppm/°C
R103: library part R0805_20K_1%_0.125W_100PPM, "Resistor - 1%", Case=0805, Manufacturer=GENERIC, Manufacturer1 ComponentHeight=0.6mm, Manufacturer1 Example="NIC COMPONENT", Manufacturer1 Part Number=NRC10F2002TRF, Power=0.125W, Tolerance=±1%, Author="CERN DEM JLC", Component Type=Standard, CreateDate=03.12.2007, HelpURL=\\cern.ch\dfs\Applications\Altium\Datasheets\R0805_NIC_NRC.pdf, LatestRevisionDate=13.03.2008, Manufacturer Part Number=R0805_20K_1%_0.125W_100PPM, Mounted=Yes, Part Description="General Purpose Thick Film Chip Resistor", Part Number=R0805_20K_1%_0.125W_100PPM, Pin Count=2, PressFit=No, Sense=No, SMD=Yes, Socket=No, Status=Preferred, TC=±100ppm/°C
R106: library part R0805_33K_1%_0.125W_100PPM, "Resistor - 1%", Case=0805, Manufacturer=GENERIC, Manufacturer1 ComponentHeight=0.6mm, Manufacturer1 Example="NIC COMPONENT", Manufacturer1 Part Number=NRC10F3302TRF, Power=0.125W, Tolerance=±1%, Author="CERN DEM JLC", Component Type=Standard, CreateDate=03.12.2007, HelpURL=\\cern.ch\dfs\Applications\Altium\Datasheets\R0805_NIC_NRC.pdf, LatestRevisionDate=13.03.2008, Manufacturer Part Number=R0805_33K_1%_0.125W_100PPM, Mounted=Yes, Part Description="General Purpose Thick Film Chip Resistor", Part Number=R0805_33K_1%_0.125W_100PPM, Pin Count=2, PressFit=No, Sense=No, SMD=Yes, Socket=No, Status=Preferred, TC=±100ppm/°C
R107: library part R0805_2K_1%_0.125W_100PPM, "Resistor - 1%", Case=0805, Manufacturer=GENERIC, Manufacturer1 ComponentHeight=0.6mm, Manufacturer1 Example="NIC COMPONENT", Manufacturer1 Part Number=NRC10F2001TRF, Power=0.125W, Tolerance=±1%, Author="CERN DEM JLC", Component Type=Standard, CreateDate=03.12.2007, HelpURL=\\cern.ch\dfs\Applications\Altium\Datasheets\R0805_NIC_NRC.pdf, LatestRevisionDate=13.03.2008, Manufacturer Part Number=R0805_2K_1%_0.125W_100PPM, Mounted=Yes, Part Description="General Purpose Thick Film Chip Resistor", Part Number=R0805_2K_1%_0.125W_100PPM, Pin Count=2, PressFit=No, Sense=No, SMD=Yes, Socket=No, Status=Preferred, TC=±100ppm/°C
R108: library part R0805_9K1_1%_0.125W_100PPM, "Resistor - 1%", Case=0805, Manufacturer=GENERIC, Manufacturer1 ComponentHeight=0.6mm, Manufacturer1 Example="NIC COMPONENT", Manufacturer1 Part Number=NRC10F9101TRF, Power=0.125W, Tolerance=±1%, Author="CERN DEM JLC", Component Type=Standard, CreateDate=03.12.2007, HelpURL=\\cern.ch\dfs\Applications\Altium\Datasheets\R0805_NIC_NRC.pdf, LatestRevisionDate=13.03.2008, Manufacturer Part Number=R0805_9K1_1%_0.125W_100PPM, Mounted=Yes, Part Description="General Purpose Thick Film Chip Resistor", Part Number=R0805_9K1_1%_0.125W_100PPM, Pin Count=2, PressFit=No, Sense=No, SMD=Yes, Socket=No, Status=Preferred, TC=±100ppm/°C
R110: library part R0805_30K_1%_0.125W_100PPM, "Resistor - 1%", Case=0805, Manufacturer=GENERIC, Manufacturer1 ComponentHeight=0.6mm, Manufacturer1 Example="NIC COMPONENT", Manufacturer1 Part Number=NRC10F3002TRF, Power=0.125W, Tolerance=±1%, Author="CERN DEM JLC", Component Type=Standard, CreateDate=03.12.2007, HelpURL=\\cern.ch\dfs\Applications\Altium\Datasheets\R0805_NIC_NRC.pdf, LatestRevisionDate=13.03.2008, Manufacturer Part Number=R0805_30K_1%_0.125W_100PPM, Mounted=Yes, Part Description="General Purpose Thick Film Chip Resistor", Part Number=R0805_30K_1%_0.125W_100PPM, Pin Count=2, PressFit=No, Sense=No, SMD=Yes, Socket=No, Status=Preferred, TC=±100ppm/°C
R111: library part R0805_1K3_1%_0.125W_100PPM, "Resistor - 1%", Case=0805, Manufacturer=GENERIC, Manufacturer1 ComponentHeight=0.6mm, Manufacturer1 Example="NIC COMPONENT", Manufacturer1 Part Number=NRC10F1301TRF, Power=0.125W, Tolerance=±1%, Author="CERN DEM JLC", Component Type=Standard, CreateDate=03.12.2007, HelpURL=\\cern.ch\dfs\Applications\Altium\Datasheets\R0805_NIC_NRC.pdf, LatestRevisionDate=13.03.2008, Manufacturer Part Number=R0805_1K3_1%_0.125W_100PPM, Mounted=Yes, Part Description="General Purpose Thick Film Chip Resistor", Part Number=R0805_1K3_1%_0.125W_100PPM, Pin Count=2, PressFit=No, Sense=No, SMD=Yes, Socket=No, Status=Preferred, TC=±100ppm/°C
R138: library part R0805_62K_1%_0.125W_100PPM, "Resistor - 1%", Case=0805, Manufacturer=GENERIC, Manufacturer1 ComponentHeight=0.6mm, Manufacturer1 Example="NIC COMPONENT", Manufacturer1 Part Number=NRC10F6202TRF, Power=0.125W, Tolerance=±1%, Author="CERN DEM JLC", Component Type=Standard, CreateDate=03.12.2007, HelpURL=\\cern.ch\dfs\Applications\Altium\Datasheets\R0805_NIC_NRC.pdf, LatestRevisionDate=13.03.2008, Manufacturer Part Number=R0805_62K_1%_0.125W_100PPM, Mounted=Yes, Part Description="General Purpose Thick Film Chip Resistor", Part Number=R0805_62K_1%_0.125W_100PPM, Pin Count=2, PressFit=No, Sense=No, SMD=Yes, Socket=No, Status=Preferred, TC=±100ppm/°C